# Altium PCB GE21_M1_pku_f100.PcbDoc (part 2 of 19)
Units mm, origin at the board's own origin, x right, y up, seen from the top; angles counter-clockwise.
Board outline 423.9 x 668.59 mm, 8 copper layers (Top Layer, Signal 1, DGNG1, POWER, AGND, DGND2, Signal 2, Bottom Layer), stack 1.03 mm thick; 171 components, 336 nets, 2040 pads, 4872 vias.
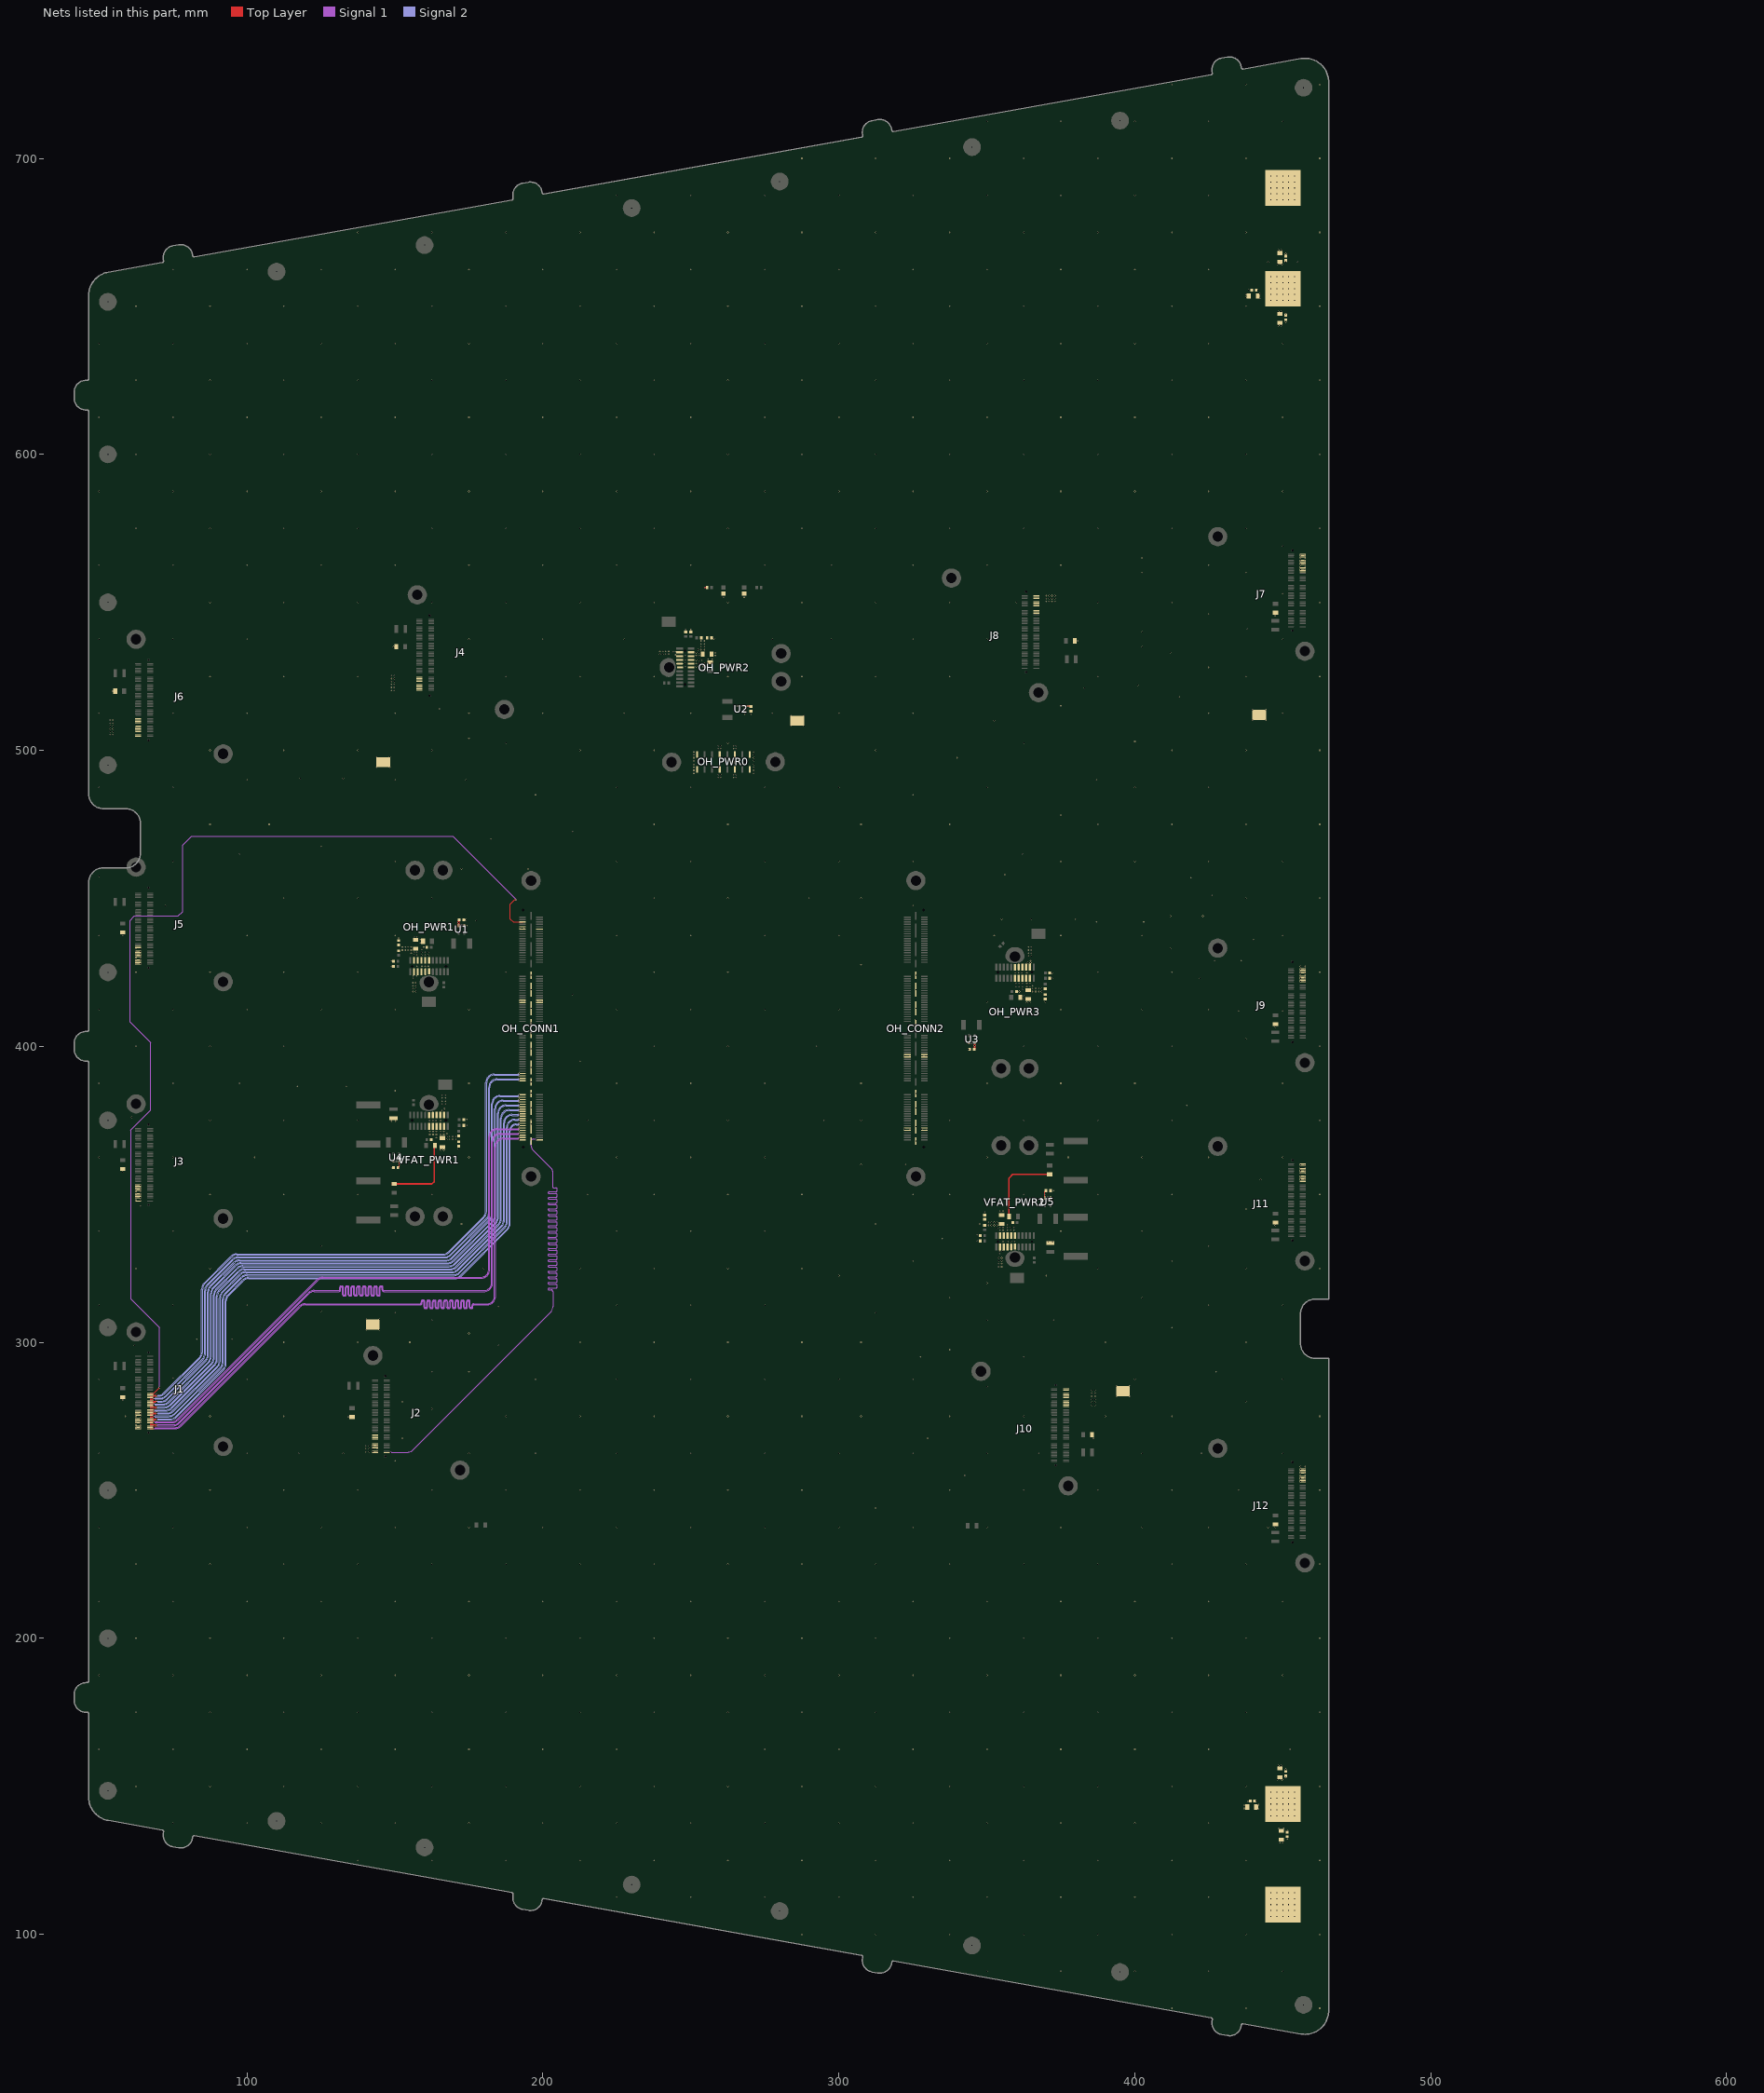
[diagram p8: the nets of this part, all layers, seen from the top]

## Via types
v1: diameter 0.508, hole 0.203, Top Layer to Bottom Layer, tented both sides, 1688 vias
v2: diameter 0.402/0.402/0.402/0.201 (per signal layer), hole 0.201, Top Layer to Bottom Layer, tented both sides, 1040 vias
v3: diameter 0.507, hole 0.202, Top Layer to Bottom Layer, tented both sides, 780 vias
v4: diameter 0.4, hole 0, Top Layer to Bottom Layer, tented both sides, 438 vias
v5: diameter 0.4, hole 0.2, Top Layer to Bottom Layer, tented both sides, 288 vias
v6: diameter 0.51, hole 0.204, Top Layer to Bottom Layer, tented both sides, 288 vias
v7: diameter 0.6/0.4/0.4/0.4 (per signal layer), hole 0.3, Top Layer to Bottom Layer, tented both sides, 254 vias
v8: diameter 0.402, hole 0.201, Top Layer to Bottom Layer, tented both sides, 96 vias

## Nets (pads, with @x,y where several pads share a name; then routed paths per layer and width w, separated by ;. In a path a pad name is that pad's centre, name@x,y a point inside that pad or via, vN(x,y) a via of type N, cw(c..) or ccw(c..) an arc to the next point about the centre after c; other vN are vias at no path point) (continued)
DGND: C2.2 C4.2 C6.2 C8.2 C10.2 C12.2 C14.2 C16.2 C18.2 C20.2 C22.2 C24.2 C25.2 C26.2 C27.2 C28.2 C29.2 C30.2 C31.2 C32.2 C33.2 C34.2 C35.2 C36.2 C37.2 C38.2 C39.2 C40.2 C41.2 C42.2 C43.2 C44.2 C45.2 C46.2 C47.2 C48.2 C49.2 C50.2 C51.2 C52.2 C53.2 C54.2 C56.2 C58.2 C59.2 C60.2 C61.2 C62.2 C63.2 C64.2 C65.2 C66.2 C67.2 C68.2 C69.2 C70.2 D1.1 D2.1 DGNDin1.1 DGNDin2.1 J1.75 J1.77 J1.79 J1.81 J1.83 J1.85 J1.87 J1.89 J1.91 J1.93 J1.95 J1.97 J1.99 J2.75 J2.77 J2.79 J2.81 J2.83 J2.85 J2.87 J2.89 J2.91 J2.93 J2.95 J2.97 J2.99 J3.75 J3.77 J3.79 J3.81 J3.83 J3.85 J3.87 J3.89 J3.91 J3.93 J3.95 J3.97 J3.99 J4.75 J4.77 J4.79 J4.81 J4.83 J4.85 J4.87 J4.89 J4.91 J4.93 J4.95 J4.97 J4.99 J5.75 J5.77 J5.79 J5.81 J5.83 J5.85 J5.87 J5.89 J5.91 J5.93 J5.95 J5.97 J5.99 J6.75 J6.77 J6.79 J6.81 J6.83 J6.85 J6.87 J6.89 J6.91 J6.93 J6.95 J6.97 J6.99 J7.75 J7.77 J7.79 J7.81 J7.83 J7.85 J7.87 J7.89 J7.91 J7.93 J7.95 J7.97 J7.99 J8.75 J8.77 J8.79 J8.81 J8.83 J8.85 J8.87 J8.89 J8.91 J8.93 J8.95 J8.97 J8.99 J9.75 J9.77 J9.79 J9.81 J9.83 J9.85 J9.87 J9.89 J9.91 J9.93 J9.95 J9.97 J9.99 J10.75 J10.77 J10.79 J10.81 J10.83 J10.85 J10.87 J10.89 J10.91 J10.93 J10.95 J10.97 J10.99 J11.75 J11.77 J11.79 J11.81 J11.83 J11.85 J11.87 J11.89 J11.91 J11.93 J11.95 J11.97 J11.99 J12.75 J12.77 J12.79 J12.81 J12.83 J12.85 J12.87 J12.89 J12.91 J12.93 J12.95 J12.97 J12.99 OH_CONN1.10 OH_CONN1.11 OH_CONN1.12 OH_CONN1.61 OH_CONN1.62 OH_CONN1.63 OH_CONN1.64 OH_CONN1.165 OH_CONN1.166 OH_CONN1.167 OH_CONN1.168 OH_CONN1.169 OH_CONN1.170 OH_CONN1.171 OH_CONN1.172 OH_CONN1.173 OH_CONN1.174 OH_CONN1.175 OH_CONN1.176 OH_CONN2.9 OH_CONN2.10 OH_CONN2.11 OH_CONN2.12 OH_CONN2.61 OH_CONN2.62 OH_CONN2.63 OH_CONN2.64 OH_CONN2.161 OH_CONN2.162 OH_CONN2.163 OH_CONN2.164 OH_CONN2.169 OH_CONN2.170 OH_CONN2.171 OH_CONN2.172 OH_PWR0.1 OH_PWR0.2 OH_PWR0.5 OH_PWR0.6 OH_PWR0.9 OH_PWR0.10 OH_PWR0.15 OH_PWR0.16 OH_PWR1.4 OH_PWR1.5 OH_PWR1.6 OH_PWR1.15 OH_PWR1.16 OH_PWR1.17 OH_PWR2.4 OH_PWR2.5 OH_PWR2.6 OH_PWR2.15 OH_PWR2.16 OH_PWR2.17 OH_PWR3.4 OH_PWR3.5 OH_PWR3.6 OH_PWR3.15 OH_PWR3.16 OH_PWR3.17 R2.2 R4.2 R6.2 R11.2 R13.2 R16.1 R17.1 TP1.1 TP2.1 TP3.1 TP4.1 TP5.1 U1.1 U2.1 U3.1 U4.1 U5.1 VFAT_PWR1.4 VFAT_PWR1.5 VFAT_PWR1.6 VFAT_PWR1.15 VFAT_PWR1.16 VFAT_PWR1.17 VFAT_PWR2.4 VFAT_PWR2.5 VFAT_PWR2.6 VFAT_PWR2.15 VFAT_PWR2.16 VFAT_PWR2.17 | length 53.1
  Top Layer w0.508: R16.1@149.1,353.5 162.5,353.5 163.25,354.25 C47.2@163.25,365.75 ; C52.2@357.5,343.25 357.5,355.5 358.75,356.75 R17.1@371.9,356.75
  other v1: 412.5,75 437.5,75 462.5,75 350,87.5 375,87.5 400,87.5 425,87.5 450,87.5 287.5,100 312.5,100 337.5,100 362.5,100 387.5,100 412.5,100 437.5,100 462.5,100 446,106 448,106 450,106 452,106 454,106 446,108 448,108 450,108 452,108 454,108 446,110 448,110 450,110 452,110 454,110 446,112 448,112 450,112 452,112 454,112 225,112.5 250,112.5 275,112.5 300,112.5 325,112.5 350,112.5 375,112.5 400,112.5 425,112.5 446,114 448,114 450,114 452,114 454,114 137.5,125 162.5,125 187.5,125 212.5,125 237.5,125 262.5,125 287.5,125 312.5,125 337.5,125 362.5,125 387.5,125 412.5,125 437.5,125 462.5,125 449,131 450,131 451.5,132.25 75,137.5 100,137.5 125,137.5 150,137.5 175,137.5 200,137.5 225,137.5 250,137.5 275,137.5 300,137.5 325,137.5 350,137.5 375,137.5 400,137.5 425,137.5 437,142.5 437,143.5 438.25,145 62.5,150 87.5,150 112.5,150 137.5,150 162.5,150 187.5,150 212.5,150 237.5,150 262.5,150 287.5,150 312.5,150 337.5,150 362.5,150 387.5,150 412.5,150 437.5,150 462.5,150 451,155.75 448.5,157 449.5,157 50,162.5 75,162.5 100,162.5 125,162.5 150,162.5 175,162.5 200,162.5 225,162.5 275,162.5 300,162.5 325,162.5 350,162.5 375,162.5 400,162.5 425,162.5 452.5,162.5 62.5,175 87.5,175 112.5,175 137.5,175 162.5,175 187.5,175 212.5,175 237.5,175 262.5,175 287.5,175 312.5,175 337.5,175 362.5,175 387.5,175 412.5,175 437.5,175 462.5,175 50,187.5 75,187.5 100,187.5 125,187.5 150,187.5 175,187.5 200,187.5 225,187.5 250,187.5 275,187.5 300,187.5 325,187.5 350,187.5 375,187.5 400,187.5 425,187.5 450,187.5 62.5,200 87.5,200 112.5,200 137.5,200 162.5,200 187.5,200 212.5,200 237.5,200 262.5,200 287.5,200 312.5,200 337.5,200 362.5,200 387.5,200 412.5,200 437.5,200 462.5,200 50,212.5 75,212.5 100,212.5 125,212.5 150,212.5 175,212.5 200,212.5 225,212.5 250,212.5 275,212.5 300,212.5 325,212.5 350,212.5 375,212.5 400,212.5 425,212.5 450,212.5 62.5,225 87.5,225 112.5,225 137.5,225 162.5,225 187.5,225 212.5,225 237.5,225 262.5,225 287.5,225 312.5,225 337.5,225 362.5,225 387.5,225 412.5,225 437.5,225 462.5,225 50,237.5 75,237.5 100,237.5 125,237.5 150,237.5 175,237.5 200,237.5 225,237.5 250,237.5 275,237.5 300,237.5 325,237.5 350,237.5 375,237.5 402.5,237.5 425,237.5 445,237.5 447.5,237.5 312.5,244 62.5,250 87.5,250 112.5,250 137.5,250 162.5,250 187.5,250 212.5,250 237.5,250 262.5,250 287.5,250 337.5,250 362.5,250 387.5,250 412.5,250 435,250 462.5,250 456,253 457.5,253 456,254 457.5,254 342.5,255 456,255 457.5,255 456,256 457.5,256 456,257 457.5,257 456,258 457.5,258 150,260 50,262.5 75,262.5 100,262.5 117.5,262.5 132.5,262.5 175,262.5 197.5,262.5 225,262.5 250,262.5 275,262.5 300,262.5 325,262.5 350,262.5 367.5,262.5 402.5,262.5 422.5,262.5 450,262.5 140.2,263 141.3,263 142.5,263 144,263 140.2,264 141.3,264 142.5,264 144,264 140.2,265 141.3,265 142.5,265 144,265 152.5,267.5 330,267.5 386,267.5 62.5,271 64,271 62.5,272 64,272 62.5,273 64,273 62.5,274 64,274 134.25,274.75 59,275 62.5,275 64,275 87.5,275 112.5,275 187.5,275 212.5,275 237.5,275 262.5,275 287.5,275 307.5,275 337.5,275 362.5,275 390,275 412.5,275 462.5,275 62.5,276 64,276 162.5,277.5 385.5,278.75 386.5,278.75 385.5,279.75 386.5,279.75 152.5,280 437.5,280 58,280.5 385.5,280.75 386.5,280.75 385.5,281.75 386.5,281.75 393.75,281.75 398.25,281.75 385.5,282.75 386.5,282.75 385.5,283.75 386.5,283.75 350,285 393.75,285.25 398.25,285.25 50,287.5 100,287.5 197.5,287.5 225,287.5 250,287.5 275,287.5 300,287.5 325,287.5 400,287.5 450,287.5 75,288 162.5,290 175,290 427.5,290 327.5,295 362.5,295 337.5,297.5 62,299 185,299 112.5,300 137.5,300 155,300 212.5,300 237.5,300 262.5,300 287.5,300 307.5,300 390,300 437.5,300 83,301 95,301 175,303 140.25,304.25 144.75,304.25 412.5,305 162.5,307.5 350,307.5 372.5,307.5 140.25,307.75 144.75,307.75 150,310 312.5,310 125,310.5 185,312 50,312.5 75,312.5 100,312.5 225,312.5 250,312.5 275,312.5 425,312.5 450,312.5 337.5,315 402.5,315 350,320 300,322.5 370,322.5 62.5,325 87.5,325 180,325 212.5,325 237.5,325 262.5,325 287.5,325 387.5,325 437.5,325 462.5,325 325,327.5 412.5,327.5 125,332.5 425,332.5 370.75,334 372.25,334 346.75,334.25 335,335 346.75,336.25 50,337.5 75,337.5 100,337.5 150,337.5 225,337.5 250,337.5 275,337.5 375,337.5 402.5,337.5 447.5,339.5 172.5,340 312.5,340 347.5,340 349.25,344 354.5,344.25 355.5,344.25 437.5,345 64,346 62.5,348 64,348 372.25,348.75 62.5,349 64,349 62.5,350 64,350 87.5,350 112.5,350 137.5,350 162.5,350 215,350 237.5,350 262.5,350 287.5,350 325,350 337.5,350 362.5,350 387.5,350 412.5,350 462.5,350 62.5,351 64,351 372.5,351.25 62.5,352 64,352 62.5,353 64,353 442.5,355 456,355 457.5,355 456,356 457.5,356 456,357 457.5,357 58,357.5 456,358 457.5,358 148.75,359 456,359 457.5,359 307.5,360 322.5,360 456,360 457.5,360 148.75,361.25 50,362.5 75,362.5 102.5,362.5 175,362.5 225,362.5 250,362.5 275,362.5 350,362.5 377.5,362.5 402.5,362.5 425,362.5 450,362.5 165.5,365 166.5,365 171.5,365.25 322.25,372 324,372 328,372 329.75,372 174.25,373.25 148.75,374.75 150.25,374.75 87.5,375 112.5,375 137.5,375 215,375 237.5,375 262.5,375 295,375 307.5,375 337.5,375 362.5,375 387.5,375 412.5,375 462.5,375 174.25,375.25 61,376 417.5,380 150,385 117,386.5 133.5,386.5 50,387.5 75,387.5 97.5,387.5 175,387.5 225,387.5 250,387.5 275,387.5 307.5,387.5 350,387.5 375,387.5 400,387.5 450,387.5 212.5,395 322.25,396.75 324,396.75 328.75,396.75 329.75,396.75 343.75,399 62.5,400 87.5,400 112.5,400 237.5,400 262.5,400 292.5,400 362.5,400 387.5,400 412.5,400 462.5,400 343.25,401.25 437.5,402.5 447.5,406.5 435,412 450,412 50,412.5 75,412.5 100,412.5 125,412.5 150,412.5 175,412.5 225,412.5 250,412.5 275,412.5 300,412.5 375,412.5 402.5,412.5 425,412.5 363.5,414.75 364.5,414.75 350,415 369.75,415 192.25,415.25 194,415.25 198,415.25 199.75,415.25 362.5,416 362.5,417 210,417.5 361,418.5 456,422 457.5,422 372,423 422,423 456,423 457.5,423 456,424 457.5,424 372,424.75 62.5,425 87.5,425 112.5,425 137.5,425 187.5,425 237.5,425 262.5,425 387.5,425 412.5,425 456,425 457.5,425 462.5,425 456,426 457.5,426 148.75,427 456,427 457.5,427 307.5,427.5 62.5,428 64,428 148.75,428.75 62.5,429 64,429 427,429 436,429 62.5,430 64,430 62.5,431 64,431 62.5,432 64,432 62.5,433 64,433 412,433 159.75,433.5 158.5,435 158.5,436 440,436 151.25,436.5 156.5,437 157.5,437 50,437.5 58,437.5 100,437.5 150,437.5 225,437.5 250,437.5 275,437.5 300,437.5 352.5,437.5 375,437.5 402.5,437.5 450,437.5 192.25,440 193.7,440 174.25,440.75 387,442 403,442 177.5,442.5 174,442.75 355,443 365,443 380,443 412,444 423,444 72.5,447.5 325,447.5 112.5,450 137.5,450 162.5,450 237.5,450 262.5,450 290,450 307.5,450 437.5,450 462.5,450 426,451 419,457 50,457.5 356,458 172.5,460 195,460 75,462.5 150,462.5 225,462.5 250,462.5 275,462.5 300,462.5 325,462.5 375,462.5 400,462.5 425,462.5 450,462.5 97.5,465 362,465 125,467.5 182.5,470 210,472.5 87.5,475 107.5,475 237.5,475 262.5,475 307.5,475 337.5,475 387.5,475 412.5,475 437.5,475 462.5,475 375,478 197.5,485 325,485 50,487.5 75,487.5 225,487.5 250,487.5 275,487.5 300,487.5 350,487.5 400,487.5 425,487.5 100,490 150,490 174,490 387,490 118,490.5 132.5,490.5 143.75,494.25 148.25,494.25 340,497.5 143.75,497.75 148.25,497.75 87.5,500 112.5,500 137.5,500 162.5,500 212.5,500 237.5,500 312.5,500 412.5,500 437.5,500 462.5,500 187.5,502.5 262.5,502.5 362.5,502.5 400,503 175,504 53.75,505.25 54.75,505.25 53.75,506.25 54.75,506.25 53.75,507.25 54.75,507.25 53.75,508.25 54.75,508.25 283.75,508.25 288.25,508.25 53.75,509.25 54.75,509.25 352.5,510 53.75,510.25 54.75,510.25 439.75,510.25 444.25,510.25 283.75,511.75 288.25,511.75 268.25,512.25 270.25,512.25 50,512.5 75,512.5 100,512.5 150,512.5 175,512.5 200,512.5 227.5,512.5 250,512.5 277.5,512.5 300,512.5 325,512.5 425,512.5 450,512.5 439.75,513.75 444.25,513.75 165,514 375,515 415,518 54.5,520 148.75,520.25 149.75,520.25 383,521 148.75,521.25 149.75,521.25 401,522 148.75,522.25 149.75,522.25 148.75,523.25 149.75,523.25 148.75,524.25 149.75,524.25 87.5,525 112.5,525 137.5,525 187.5,525 212.5,525 237.5,525 262.5,525 287.5,525 312.5,525 337.5,525 387.5,525 437.5,525 462.5,525 148.75,525.25 149.75,525.25 425,528 254.5,529.5 255.75,530.75 257.25,530.75 258.25,532 258.25,533 412,533 149.5,535 402.5,535 380.75,537 50,537.5 75,537.5 100,537.5 175,537.5 200,537.5 227.5,537.5 277.5,537.5 297.5,537.5 325,537.5 350,537.5 450,537.5 257.75,537.75 402.5,540 248.25,540.75 250,540.75 438,541 447.5,545.5 425,546 87.5,550 112.5,550 137.5,550 162.5,550 187.5,550 212.5,550 237.5,550 262.5,550 287.5,550 312.5,550 337.5,550 360,550 387.5,550 412.5,550 462.5,550 370,550.25 371,550.25 372,550.25 373,550.25 370,551.25 371,551.25 372,551.25 373,551.25 370,552.25 371,552.25 372,552.25 373,552.25 450,553 402.5,560 437.5,560 456,561 457.5,561 456,562 457.5,562 50,562.5 75,562.5 100,562.5 125,562.5 150,562.5 175,562.5 200,562.5 225,562.5 250,562.5 275,562.5 297.5,562.5 325,562.5 350,562.5 375,562.5 425,562.5 456,563 457.5,563 456,564 457.5,564 402.5,565 456,565 457.5,565 456,566 457.5,566 450,569 62.5,575 87.5,575 112.5,575 137.5,575 162.5,575 187.5,575 212.5,575 237.5,575 262.5,575 287.5,575 312.5,575 337.5,575 362.5,575 387.5,575 412.5,575 437.5,575 462.5,575 50,587.5 75,587.5 100,587.5 125,587.5 150,587.5 175,587.5 200,587.5 225,587.5 250,587.5 275,587.5 300,587.5 325,587.5 350,587.5 375,587.5 400,587.5 425,587.5 450,587.5 62.5,600 87.5,600 112.5,600 137.5,600 162.5,600 187.5,600 212.5,600 237.5,600 262.5,600 287.5,600 312.5,600 337.5,600 362.5,600 387.5,600 412.5,600 437.5,600 462.5,600 50,612.5 75,612.5 100,612.5 125,612.5 150,612.5 175,612.5 200,612.5 225,612.5 250,612.5 275,612.5 300,612.5 325,612.5 350,612.5 375,612.5 400,612.5 425,612.5 450,612.5 62.5,625 87.5,625 112.5,625 137.5,625 162.5,625 187.5,625 212.5,625 237.5,625 262.5,625 287.5,625 312.5,625 337.5,625 362.5,625 387.5,625 412.5,625 437.5,625 462.5,625 50,637.5 75,637.5 100,637.5 125,637.5 150,637.5 175,637.5 200,637.5 225,637.5 250,637.5 275,637.5 300,637.5 325,637.5 350,637.5 375,637.5 400,637.5 425,637.5 450,637.5 448.5,643.5 449.5,643.5 451,644.75 62.5,650 87.5,650 112.5,650 137.5,650 162.5,650 187.5,650 212.5,650 237.5,650 262.5,650 287.5,650 312.5,650 337.5,650 362.5,650 387.5,650 412.5,650 437.5,650 462.5,650 437.5,653 437.5,654 438.5,655.5 75,662.5 100,662.5 125,662.5 150,662.5 175,662.5 200,662.5 225,662.5 250,662.5 275,662.5 300,662.5 325,662.5 350,662.5 375,662.5 400,662.5 425,662.5 445,665 455,665 451,667.75 448.5,669 449.5,669 137.5,675 162.5,675 187.5,675 212.5,675 237.5,675 262.5,675 287.5,675 312.5,675 337.5,675 362.5,675 387.5,675 412.5,675 437.5,675 462.5,675 446,686 448,686 450,686 452,686 454,686 225,687.5 250,687.5 275,687.5 300,687.5 325,687.5 350,687.5 375,687.5 400,687.5 425,687.5 446,688 448,688 450,688 452,688 454,688 446,690 448,690 450,690 452,690 454,690 446,692 448,692 450,692 452,692 454,692 446,694 448,694 450,694 452,694 454,694 287.5,700 312.5,700 337.5,700 362.5,700 387.5,700 412.5,700 437.5,700 462.5,700 350,712.5 375,712.5 400,712.5 425,712.5 450,712.5 412.5,725 437.5,725 462.5,725
  other v3: 354,325.5 355,325.5 354,326.5 355,326.5 354,327.5 355,327.5 354,328.5 355,328.5 357.1,334.1 358.2,334.1 359.3,334.1 357,337.8 358.1,337.8 359.2,337.8 357,338.8 358.1,338.8 359.2,338.8 357,339.8 326,367.935 164,369.2 161.8,370.2 162.9,370.2 164,370.2 161.8,371.2 162.9,371.2 164,371.2 326,372.825 196,373.75 161.7,374.9 162.8,374.9 163.9,374.9 196,375.25 326,379.175 196,379.25 166,380.5 167,380.5 166,381.5 167,381.5 166,382.5 167,382.5 166,383.5 167,383.5 326,384.065 196,384.25 196,387.935 196,392.825 196,399.175 196,404.25 196,407.935 326,409 196,412.825 326,412.825 156,418.5 157,418.5 196,419.175 326,419.175 362,419.2 156,419.5 157,419.5 359.8,420.2 360.9,420.2 362,420.2 156,420.5 157,420.5 359.8,421.2 360.9,421.2 362,421.2 156,421.5 157,421.5 196,424.065 326,424.065 359.7,424.9 360.8,424.9 361.9,424.9 159.1,427.1 160.2,427.1 161.3,427.1 364,430.5 365,430.5 159,430.8 160.1,430.8 161.2,430.8 364,431.5 365,431.5 159,431.8 160.1,431.8 161.2,431.8 364,432.5 365,432.5 159,432.8 364,433.5 365,433.5 259.25,490.75 260,490.75 264.5,490.75 265.25,490.75 259.25,491.75 260,491.75 264.5,491.75 265.25,491.75 251,492.25 271.25,492.25 251,493.25 271.25,493.25 251,494.25 271.25,494.25 251,495.25 271.25,495.25 259.75,495.75 264.75,495.75 251,496.5 259.75,496.5 264.75,496.5 271.25,496.5 251,497.5 271.25,497.5 251,498.5 271.25,498.5 251,499.5 271.25,499.5 259.25,500.5 260,500.5 264.5,500.5 265.25,500.5 259.25,501.5 260,501.5 264.5,501.5 265.25,501.5 248.1,528.2 251.8,528.3 252.8,528.3 248.1,529.3 251.8,529.4 252.8,529.4 248.1,530.4 251.8,530.5 252.8,530.5 253.8,530.5 239.5,532.5 240.5,532.5 241.5,532.5 242.5,532.5 239.5,533.5 240.5,533.5 241.5,533.5 242.5,533.5 261,551.75 268,551.75
DVDD: C28.1 C29.1 C32.1 C33.1 C34.1 C37.1 C38.1 C39.1 C42.1 C45.1 C46.1 C49.1 C50.1 C51.1 C54.1 C59.1 C60.1 C61.1 C62.1 C63.1 C64.1 C65.1 C66.1 C67.1 C68.1 C69.1 C70.1 DVDDin1.1 DVDDin2.1 OH_PWR1.2 OH_PWR1.3 OH_PWR1.13 OH_PWR1.14 OH_PWR2.2 OH_PWR2.3 OH_PWR2.13 OH_PWR2.14 OH_PWR3.2 OH_PWR3.3 OH_PWR3.13 OH_PWR3.14 R1.1 R3.1 R5.1 R10.1 R12.1 R20.1 U1.3 U2.3 U3.3 U4.3 U5.3 VFAT_PWR1.2 VFAT_PWR1.3 VFAT_PWR1.13 VFAT_PWR1.14 VFAT_PWR2.2 VFAT_PWR2.3 VFAT_PWR2.13 VFAT_PWR2.14 | length 12.9
  Top Layer w0.2: C49.1@151,359 151.4,359.4 U4.3@151.4,361.25 ; U5.3@369.6,348.65 369.6,350.85 C54.1@370,351.25
  Top Layer w0.508: U1.3@171.55,440.7 171.55,442.55 C32.1@171.75,442.75 ; v3(254.5,555) R20.1@255.5,555 ; U2.3@268.25,514.95 C37.1@270.5,514.95 ; C42.1@345.75,399 345.9,399.15 U3.3@345.9,401.25
  other v1: 451.5,135 448.75,135.75 450.25,135.75 446,140 448,140 450,140 452,140 454,140 446,142 448,142 450,142 452,142 454,142 441.75,142.25 441.75,143.75 446,144 448,144 450,144 452,144 454,144 441,145 446,146 448,146 450,146 452,146 454,146 446,148 448,148 450,148 452,148 454,148 448.25,152.25 449.75,152.25 451,153 369.6,350 151.4,360 345.9,400.2 171.5,441.75 269.25,514.95 451,647.5 448.5,648.25 449.5,648.25 446,652 448,652 450,652 452,652 454,652 442.25,652.75 446,654 448,654 450,654 452,654 454,654 442.25,654.25 441.5,655.5 446,656 448,656 450,656 452,656 454,656 446,658 448,658 450,658 452,658 454,658 446,660 448,660 450,660 452,660 454,660 448.25,664.25 449.75,664.25 451,665
  other v3: 354.25,330 354.25,330.75 355.25,330.75 355.5,334.1 354.5,337.8 355.5,337.8 353.5,338.5 354.5,338.8 355.5,338.8 350.5,339.5 351.5,339.5 352.5,339.5 353.5,339.5 350.5,340.5 351.5,340.5 352.5,340.5 353.5,340.5 167.5,368.5 168.5,368.5 169.5,368.5 170.5,368.5 167.5,369.5 168.5,369.5 169.5,369.5 170.5,369.5 165.5,370.2 166.5,370.2 167.5,370.5 165.5,371.2 166.5,371.2 165.5,374.9 165.75,378.25 166.75,378.25 166.75,379 365.5,418.5 366.5,418.5 367.5,418.5 368.5,418.5 365.5,419.5 366.5,419.5 367.5,419.5 368.5,419.5 363.5,420.2 364.5,420.2 365.5,420.5 363.5,421.2 364.5,421.2 156.25,423 156.25,423.75 157.25,423.75 363.5,424.9 157.5,427.1 363.75,428.25 364.75,428.25 364.75,429 156.5,430.8 157.5,430.8 155.5,431.5 156.5,431.8 157.5,431.8 152.5,432.5 153.5,432.5 154.5,432.5 155.5,432.5 152.5,433.5 153.5,433.5 154.5,433.5 155.5,433.5 248.1,532 251.8,532 252.8,532 244.75,532.25 251.8,533 252.8,533 244,533.25 244.75,533.25 252.5,534 253.5,534 254.5,534 253.5,535 254.5,535 253.5,536 254.5,536 253.5,537 254.5,537
J1CLK_N: J1.100 OH_CONN1.160 | length 234.6
  Top Layer w0.115: v4@68.379,270.75 cw(c68.379,270.579) v5(68.5,270.7)
  Top Layer w0.25: J1.100@67.25,270.75 v4@68.379,270.75
  Signal 1 w0.115: v5(68.5,270.7) cw(c68.802,270.398) 68.802,270.825 75.628,270.825 ccw(c75.628,273.715) 77.671,271.671 117.906,311.906 cw(c119.702,310.11) 119.702,312.65 158.596,312.65 ccw(c158.596,313.208) 159.154,313.208 159.154,313.699 cw(c159.362,313.699) 159.362,313.907 159.554,313.907 cw(c159.554,313.699) 159.762,313.699 159.762,311.951 ccw(c160.32,311.951) 160.32,311.393 160.512,311.393 ccw(c160.512,311.951) 161.07,311.951 161.07,313.699 cw(c161.278,313.699) 161.278,313.907 161.47,313.907 cw(c161.47,313.699) 161.678,313.699 161.678,311.951 ccw(c162.236,311.951) 162.236,311.393 162.428,311.393 ccw(c162.428,311.951) 162.986,311.951 162.986,313.699 cw(c163.194,313.699) 163.194,313.907 163.386,313.907 cw(c163.386,313.699) 163.594,313.699 163.594,311.951 ccw(c164.152,311.951) 164.152,311.393 164.344,311.393 ccw(c164.344,311.951) 164.902,311.951 164.902,313.699 cw(c165.11,313.699) 165.11,313.907 165.302,313.907 cw(c165.302,313.699) 165.51,313.699 165.51,311.951 ccw(c166.068,311.951) 166.068,311.393 166.26,311.393 ccw(c166.26,311.951) 166.818,311.951 166.818,313.699 cw(c167.026,313.699) 167.026,313.907 167.218,313.907 cw(c167.218,313.699) 167.426,313.699 167.426,311.951 ccw(c167.984,311.951) 167.984,311.393 168.176,311.393 ccw(c168.176,311.951) 168.734,311.951 168.734,313.699 cw(c168.942,313.699) 168.942,313.907 169.134,313.907 cw(c169.134,313.699) 169.342,313.699 169.342,311.951 ccw(c169.9,311.951) 169.9,311.393 170.092,311.393 ccw(c170.092,311.951) 170.65,311.951 170.65,313.699 cw(c170.858,313.699) 170.858,313.907 171.05,313.907 cw(c171.05,313.699) 171.258,313.699 171.258,311.951 ccw(c171.816,311.951) 171.816,311.393 172.008,311.393 ccw(c172.008,311.951) 172.566,311.951 172.566,313.699 cw(c172.774,313.699) 172.774,313.907 172.966,313.907 cw(c172.966,313.699) 173.174,313.699 173.174,311.951 ccw(c173.732,311.951) 173.732,311.393 173.924,311.393 ccw(c173.924,311.951) 174.482,311.951 174.482,313.699 cw(c174.69,313.699) 174.69,313.907 174.882,313.907 cw(c174.882,313.699) 175.09,313.699 175.09,311.951 ccw(c175.648,311.951) 175.648,311.393 175.84,311.393 ccw(c175.84,311.951) 176.398,311.951 176.398,312.442 cw(c176.606,312.442) 176.606,312.65 181.11,312.65 ccw(c181.11,315.54) 184,315.54 184,366.085 cw(c186.54,366.085) 186.54,368.625 191.457,368.625 cw(c191.457,367.857) v6@192,368.4